# Altium PCB ControlBoard.PcbDoc (part 2 of 3) (continued)
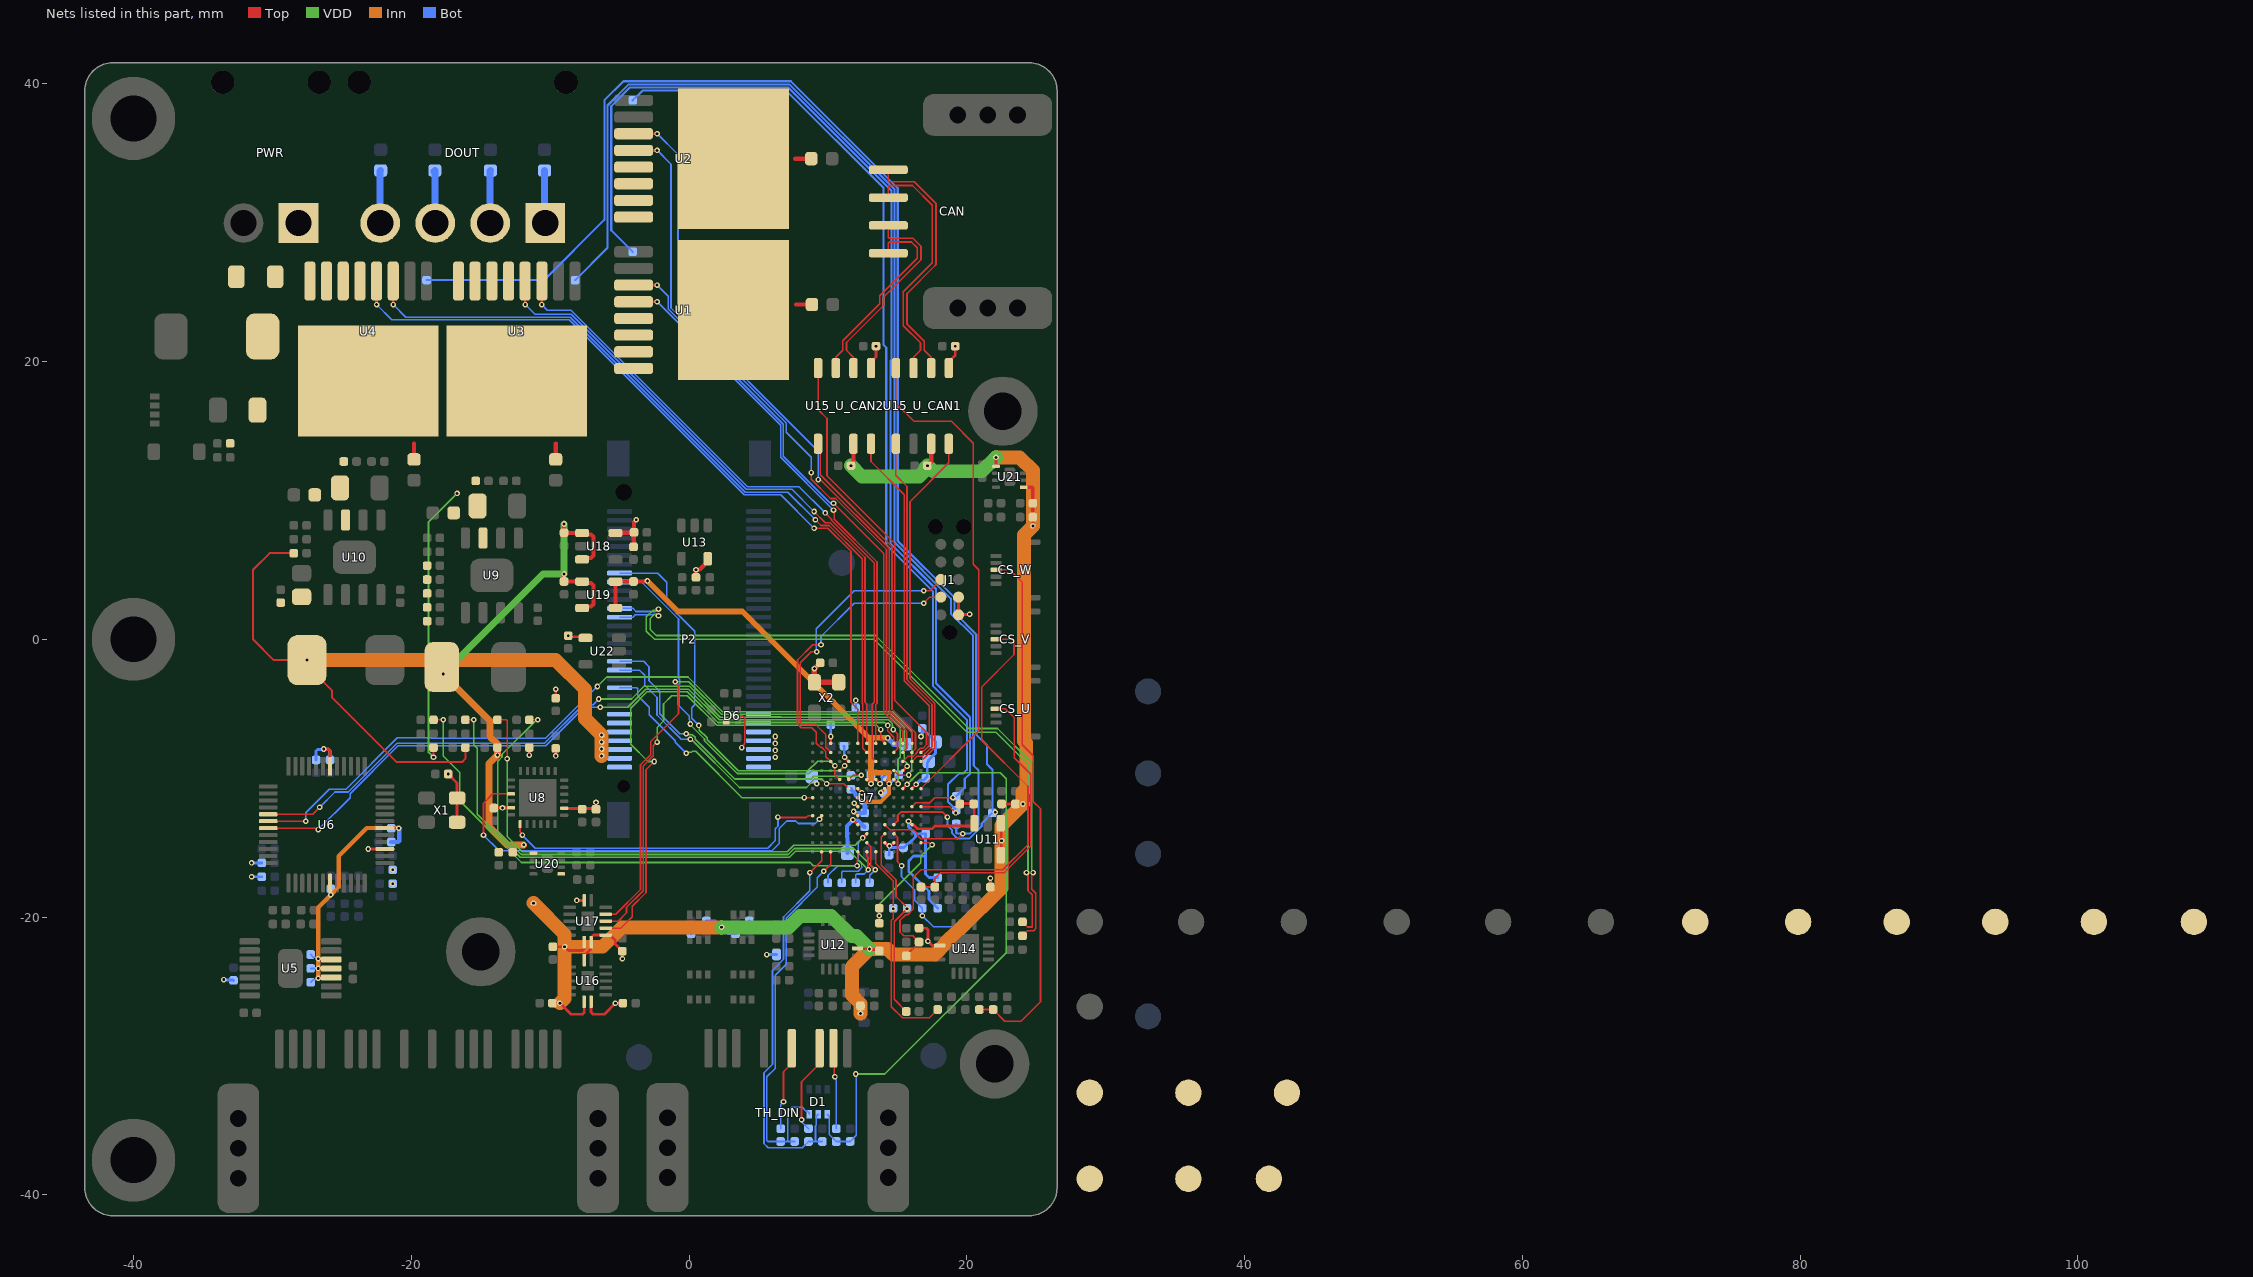
[diagram p6: the nets of this part, all layers, seen from the top]
## Part data (continued)
R106 R107: library part RES0402-300-1%, "Fixed Resistor, Metal Glaze/thick Film, 0.063W, 300ohm, 50V, 1% +/-Tol, 100ppm/Cel, Surface Mount, 0402", Case Code (Metric)=0402, Manufacturer=Vishay, Manufacturer Part Number=CRCW0402300RFKTD, Max Operating Temperature=155°C, Max Power Dissipation=63mW, Min Operating Temperature=-55°C, Supplier Part Number=CRCW0402300RFKTD-ND, Temperature Coefficient=100ppm/°C, Tolerance=1%, Voltage Rating (DC)=50V, Case/Package=0402, Category="Chip SMD Resistors", ComponentLink1Description=https://datasheet.octopart.com:443/CRCW0402300RFKTD-Vishay-datasheet-175863636.pdf?src-supplier=IHS, ComponentLink1URL=https://datasheet.octopart.com:443/CRCW0402300RFKTD-Vishay-datasheet-175863636.pdf?src-supplier=IHS, ComponentLink2Description=https://datasheet.octopart.com:443/CRCW0402300RFKTD-Vishay-datasheet-182027442.pdf?src-supplier=IHS, ComponentLink2URL=https://datasheet.octopart.com:443/CRCW0402300RFKTD-Vishay-datasheet-182027442.pdf?src-supplier=IHS, ComponentLink3Description=https://datasheet.octopart.com:443/CRCW0402300RFKTD-Vishay-datasheet-183883876.pdf?src-supplier=Newark, ComponentLink3URL=https://datasheet.octopart.com:443/CRCW0402300RFKTD-Vishay-datasheet-183883876.pdf?src-supplier=Newark, ComponentLink4Description=https://datasheet.octopart.com/D-CRCW-Lead-%28Pb%29-Bearing-Thick-Film%2C-Rectangular-Chip-Resistors-Vishay-datasheet-family-72.pdf, ComponentLink4URL=https://datasheet.octopart.com/D-CRCW-Lead-%28Pb%29-Bearing-Thick-Film%2C-Rectangular-Chip-Resistors-Vishay-datasheet-family-72.pdf, ComponentLink5Description=https://datasheet.octopart.com/CRCW0402300RFKTD-Vishay-datasheet-13242068.pdf, ComponentLink5URL=https://datasheet.octopart.com/CRCW0402300RFKTD-Vishay-datasheet-13242068.pdf, ComponentLink6Description=https://datasheet.octopart.com/CRCW0402300RFKTD-Vishay-datasheet-13195083.pdf, ComponentLink6URL=https://datasheet.octopart.com/CRCW0402300RFKTD-Vishay-datasheet-13195083.pdf, ComponentLink7Description=https://datasheet.octopart.com/CRCW0402300RFKTD-Vishay-datasheet-13034211.pdf, ComponentLink7URL=https://datasheet.octopart.com/CRCW0402300RFKTD-Vishay-datasheet-13034211.pdf, ComponentLink8Description=https://datasheet.octopart.com/CRCW0402300RFKTD-Vishay-datasheet-12600034.pdf, ComponentLink8URL=https://datasheet.octopart.com/CRCW0402300RFKTD-Vishay-datasheet-12600034.pdf, ComponentLink9Description=https://datasheet.octopart.com/CRCW0402300RFKTD-Vishay-datasheet-12532161.pdf, ComponentLink9URL=https://datasheet.octopart.com/CRCW0402300RFKTD-Vishay-datasheet-12532161.pdf, ComponentLink10Description=https://datasheet.octopart.com/CRCW0402300RFKTD-Vishay-datasheet-12517896.pdf, ComponentLink10URL=https://datasheet.octopart.com/CRCW0402300RFKTD-Vishay-datasheet-12517896.pdf, ComponentLink11Description=https://datasheet.octopart.com/CRCW0402300RFKTD-Vishay-datasheet-12509762.pdf, ComponentLink11URL=https://datasheet.octopart.com/CRCW0402300RFKTD-Vishay-datasheet-12509762.pdf, ComponentLink12Description=https://datasheet.octopart.com/CRCW0402300RFKTD-Vishay-datasheet-10322335.pdf, ComponentLink12URL=https://datasheet.octopart.com/CRCW0402300RFKTD-Vishay-datasheet-10322335.pdf, ComponentLink13Description=https://datasheet.octopart.com/CRCW0402300RFKTD-Vishay-datasheet-8788789.pdf, ComponentLink13URL=https://datasheet.octopart.com/CRCW0402300RFKTD-Vishay-datasheet-8788789.pdf, ComponentLink14Description=https://datasheet.octopart.com/CRCW0402300RFKTD-Vishay-datasheet-8361388.pdf, ComponentLink14URL=https://datasheet.octopart.com/CRCW0402300RFKTD-Vishay-datasheet-8361388.pdf, ComponentLink15Description=https://datasheet.octopart.com/CRCW0402300RFKTD-Vishay-datasheet-5306405.pdf, ComponentLink15URL=https://datasheet.octopart.com/CRCW0402300RFKTD-Vishay-datasheet-5306405.pdf, ComponentLink16Description=https://datasheet.octopart.com/CRCW0402300RFKTD-Vishay-datasheet-546287.pdf, ComponentLink16URL=https://datasheet.octopart.com/CRCW0402300RFKTD-Vishay-datasheet-546287.pdf, ComponentLink17Description=http://sigma.octopart.com:80/rohs_statement/Vishay-company-15.pdf?src-supplier=Compliance+Statements, ComponentLink17URL=http://sigma.octopart.com:80/rohs_statement/Vishay-company-15.pdf?src-supplier=Compliance+Statements, Composition="Thick Film", Contact Plating="Lead, Tin", Depth=500µm, Features="Automotive AEC-Q200", Height=350µm, Lead Free="Contains Lead", Length=990.6µm, Lifecycle Status=Production, Military Standard=Not, Mounting Technology="Surface Mount", Number of Terminals=2, Number of Terminations=2, Packaging="Tape & Reel (TR)", Power Dissipation=63mW, Power Rating=63mW, Pricing="10000=0,0229 (USD)", Radiation Hardening=No, REACH SVHC=No, Resistance=300Ω, RoHS=Non-Compliant, Supplier=DigiKey, Supplier 1=DigiKey, Supplier Part Number 1=CRCW0402300RFKTD-ND, Width=500µm, Working Voltage=50V
R109 R112: library part RES0402-7.5k-1%, "Res Thick Film 0402 7.5K Ohm 1% 1/16W ±100ppm/°C Molded SMD Paper T/R", Case Code (Imperial)=0402, Manufacturer=Vishay, Manufacturer Part Number=CRCW04027K50FKTD, Max Operating Temperature=155°C, Max Power Dissipation=63mW, Min Operating Temperature=-55°C, Supplier Part Number=541-CRCW04027K50FKTDCT-ND, Temperature Coefficient=100ppm/°C, Tolerance=1%, Voltage Rating=50V, Case/Package=0402, Category="Chip SMD Resistors", ComponentLink1Description=https://datasheet.octopart.com:443/CRCW04027K50FKTD-Vishay-datasheet-175863636.pdf?src-supplier=IHS, ComponentLink1URL=https://datasheet.octopart.com:443/CRCW04027K50FKTD-Vishay-datasheet-175863636.pdf?src-supplier=IHS, ComponentLink2Description=https://datasheet.octopart.com:443/CRCW04027K50FKTD-Vishay-datasheet-182027442.pdf?src-supplier=IHS, ComponentLink2URL=https://datasheet.octopart.com:443/CRCW04027K50FKTD-Vishay-datasheet-182027442.pdf?src-supplier=IHS, ComponentLink3Description=https://datasheet.octopart.com:443/CRCW04027K50FKTD-Vishay-datasheet-190005715.pdf?src-supplier=TME, ComponentLink3URL=https://datasheet.octopart.com:443/CRCW04027K50FKTD-Vishay-datasheet-190005715.pdf?src-supplier=TME, ComponentLink4Description=https://datasheet.octopart.com:443/CRCW04027K50FKTD-Vishay-datasheet-78776609.pdf?src-supplier=Newark, ComponentLink4URL=https://datasheet.octopart.com:443/CRCW04027K50FKTD-Vishay-datasheet-78776609.pdf?src-supplier=Newark, ComponentLink5Description=https://datasheet.octopart.com:443/CRCW04027K50FKTD-Vishay-datasheet-159614008.pdf?src-supplier=Newark, ComponentLink5URL=https://datasheet.octopart.com:443/CRCW04027K50FKTD-Vishay-datasheet-159614008.pdf?src-supplier=Newark, ComponentLink6Description=https://datasheet.octopart.com:443/CRCW04027K50FKTD-Vishay-datasheet-41302739.pdf?src-supplier=Newark, ComponentLink6URL=https://datasheet.octopart.com:443/CRCW04027K50FKTD-Vishay-datasheet-41302739.pdf?src-supplier=Newark, ComponentLink7Description=https://datasheet.octopart.com:443/CRCW04027K50FKTD-Vishay-datasheet-62316122.pdf?src-supplier=Future+Electronics, ComponentLink7URL=https://datasheet.octopart.com:443/CRCW04027K50FKTD-Vishay-datasheet-62316122.pdf?src-supplier=Future+Electronics, ComponentLink8Description=https://datasheet.octopart.com:443/CRCW04027K50FKTD-Vishay-datasheet-62316123.pdf?src-supplier=Future+Electronics, ComponentLink8URL=https://datasheet.octopart.com:443/CRCW04027K50FKTD-Vishay-datasheet-62316123.pdf?src-supplier=Future+Electronics, ComponentLink9Description=https://datasheet.octopart.com/D-CRCW-Lead-%28Pb%29-Bearing-Thick-Film%2C-Rectangular-Chip-Resistors-Vishay-datasheet-family-72.pdf, ComponentLink9URL=https://datasheet.octopart.com/D-CRCW-Lead-%28Pb%29-Bearing-Thick-Film%2C-Rectangular-Chip-Resistors-Vishay-datasheet-family-72.pdf, ComponentLink10Description=https://datasheet.octopart.com/CRCW04027K50FKTD-Vishay-datasheet-13242068.pdf, ComponentLink10URL=https://datasheet.octopart.com/CRCW04027K50FKTD-Vishay-datasheet-13242068.pdf, ComponentLink11Description=https://datasheet.octopart.com/CRCW04027K50FKTD-Vishay-datasheet-13195083.pdf, ComponentLink11URL=https://datasheet.octopart.com/CRCW04027K50FKTD-Vishay-datasheet-13195083.pdf, ComponentLink12Description=https://datasheet.octopart.com/CRCW04027K50FKTD-Vishay-datasheet-13034211.pdf, ComponentLink12URL=https://datasheet.octopart.com/CRCW04027K50FKTD-Vishay-datasheet-13034211.pdf, ComponentLink13Description=https://datasheet.octopart.com/CRCW04027K50FKTD-Vishay-datasheet-12600034.pdf, ComponentLink13URL=https://datasheet.octopart.com/CRCW04027K50FKTD-Vishay-datasheet-12600034.pdf, ComponentLink14Description=https://datasheet.octopart.com/CRCW04027K50FKTD-Vishay-datasheet-12532161.pdf, ComponentLink14URL=https://datasheet.octopart.com/CRCW04027K50FKTD-Vishay-datasheet-12532161.pdf, ComponentLink15Description=https://datasheet.octopart.com/CRCW04027K50FKTD-Vishay-datasheet-12517896.pdf, ComponentLink15URL=https://datasheet.octopart.com/CRCW04027K50FKTD-Vishay-datasheet-12517896.pdf, ComponentLink16Description=https://datasheet.octopart.com/CRCW04027K50FKTD-Vishay-datasheet-12509762.pdf, ComponentLink16URL=https://datasheet.octopart.com/CRCW04027K50FKTD-Vishay-datasheet-12509762.pdf, ComponentLink17Description=https://datasheet.octopart.com/CRCW04027K50FKTD-Vishay-datasheet-10322335.pdf, ComponentLink17URL=https://datasheet.octopart.com/CRCW04027K50FKTD-Vishay-datasheet-10322335.pdf, ComponentLink18Description=https://datasheet.octopart.com/CRCW04027K50FKTD-Vishay-datasheet-8788789.pdf, ComponentLink18URL=https://datasheet.octopart.com/CRCW04027K50FKTD-Vishay-datasheet-8788789.pdf, ComponentLink19Description=https://datasheet.octopart.com/CRCW04027K50FKTD-Vishay-datasheet-8361388.pdf, ComponentLink19URL=https://datasheet.octopart.com/CRCW04027K50FKTD-Vishay-datasheet-8361388.pdf, ComponentLink20Description=https://datasheet.octopart.com/CRCW04027K50FKTD-Vishay-datasheet-5306405.pdf, ComponentLink20URL=https://datasheet.octopart.com/CRCW04027K50FKTD-Vishay-datasheet-5306405.pdf, ComponentLink21Description=https://datasheet.octopart.com/CRCW04027K50FKTD-Vishay-datasheet-546287.pdf, ComponentLink21URL=https://datasheet.octopart.com/CRCW04027K50FKTD-Vishay-datasheet-546287.pdf, ComponentLink22Description=http://sigma.octopart.com:80/rohs_statement/Vishay-company-15.pdf?src-supplier=Compliance+Statements, ComponentLink22URL=http://sigma.octopart.com:80/rohs_statement/Vishay-company-15.pdf?src-supplier=Compliance+Statements, Composition="Thick Film", Contact Plating="Lead, Tin", Depth=500µm, Features="Automotive AEC-Q200", Height=350µm, Lead Free="Contains Lead", Length=1mm, Lifecycle Status=Production, Military Standard=Not, Mounting Technology="Surface Mount", Number of Terminals=2, Number of Terminations=2, Pins=2, Power Dissipation=63mW, Power Rating=63mW, Pricing="1=0,17, 10=0,082, 25=0,0648, 50=0,0546, 100=0,0451, 250=0,03808, 500=0,03412, 1000=0,0305, 5000=0,02473 (USD)", REACH SVHC=No, Resistance=7.5kΩ, RoHS=Non-Compliant, Schedule B="8533210045, 8533210045|8533210045|8533210045|8533210045|8533210045", Stock=13697, Supplier=DigiKey, Supplier 1=DigiKey, Supplier Part Number 1=541-CRCW04027K50FKTDCT-ND, Voltage Rating (DC)=50V, Weight=652.039032µg, Width=500µm, Working Voltage=50V
TH_DIN: "Automotive Connectors Right Angle Receptacle, DIP Solder Tabs, 8 Position", Manufacturer="HIROSE ELECTRIC", Max Operating Temperature=125°C, Min Operating Temperature=-40°C, Supplier Part Number=26-ZE05-8DP-2HCT-ND, Category="Card Edge Connectors", ComponentLink1Description=https://datasheet.octopart.com:443/ZE05-8DP-2H-HIROSE-ELECTRIC-datasheet-180012703.pdf?src-supplier=IHS, ComponentLink1URL=https://datasheet.octopart.com:443/ZE05-8DP-2H-HIROSE-ELECTRIC-datasheet-180012703.pdf?src-supplier=IHS, ComponentLink2Description=https://datasheet.octopart.com:443/ZE05-8DP-2H-HIROSE-ELECTRIC-datasheet-189101943.pdf?src-supplier=Master+Electronics, ComponentLink2URL=https://datasheet.octopart.com:443/ZE05-8DP-2H-HIROSE-ELECTRIC-datasheet-189101943.pdf?src-supplier=Master+Electronics, ComponentLink3Description=https://datasheet.octopart.com:443/ZE05-8DP-2H-HIROSE-ELECTRIC-datasheet-188748195.pdf?src-supplier=Master+Electronics, ComponentLink3URL=https://datasheet.octopart.com:443/ZE05-8DP-2H-HIROSE-ELECTRIC-datasheet-188748195.pdf?src-supplier=Master+Electronics, ComponentLink4Description=https://datasheet.octopart.com:443/ZE05-8DP-2H-HIROSE-ELECTRIC-datasheet-181928072.pdf?src-supplier=Electro+Sonic, ComponentLink4URL=https://datasheet.octopart.com:443/ZE05-8DP-2H-HIROSE-ELECTRIC-datasheet-181928072.pdf?src-supplier=Electro+Sonic, ComponentLink5Description=https://datasheet.octopart.com:443/ZE05-8DP-2H-HIROSE-ELECTRIC-datasheet-176457996.pdf?src-supplier=Future+Electronics, ComponentLink5URL=https://datasheet.octopart.com:443/ZE05-8DP-2H-HIROSE-ELECTRIC-datasheet-176457996.pdf?src-supplier=Future+Electronics, ComponentLink6Description=https://datasheet.octopart.com:443/ZE05-8DP-2H-Hirose-datasheet-168215454.pdf?src-supplier=TME, ComponentLink6URL=https://datasheet.octopart.com:443/ZE05-8DP-2H-Hirose-datasheet-168215454.pdf?src-supplier=TME, ComponentLink7Description=https://datasheet.octopart.com:443/ZE05-8DP-2H-Hirose-datasheet-149155786.pdf?src-supplier=Sager+Electronics, ComponentLink7URL=https://datasheet.octopart.com:443/ZE05-8DP-2H-Hirose-datasheet-149155786.pdf?src-supplier=Sager+Electronics, ComponentLink8Description=https://sigma.octopart.com:443/145369997/technical_drawing/Hirose-ZE05-8DP-2H.pdf?src-supplier=Hirose+SCT, ComponentLink8URL=https://sigma.octopart.com:443/145369997/technical_drawing/Hirose-ZE05-8DP-2H.pdf?src-supplier=Hirose+SCT, ComponentLink9Description=https://datasheet.octopart.com:443/ZE05-8DP-2H-Hirose-datasheet-141146741.pdf?src-supplier=Hirose+SCT, ComponentLink9URL=https://datasheet.octopart.com:443/ZE05-8DP-2H-Hirose-datasheet-141146741.pdf?src-supplier=Hirose+SCT, Connector Type=Receptacle, Height=8.84mm, Length=18.52mm, Lifecycle Status=Production, Manufacturer Part Number=ZE05-8DP-2H, Orientation="Right Angle", Pins=8, Pricing="1=1,89, 10=1,609, 25=1,5084, 50=1,4362, 100=1,3676 (USD)", REACH SVHC=Yes, RoHS=Compliant, Stock=76, Supplier=DigiKey, Supplier 1=DigiKey, Supplier Part Number 1=26-ZE05-8DP-2HCT-ND, Width=14.8mm
TP1 TP2 TP3 TP4 TP5 TP6 TP7 TP8 TP9 TP10 TP11 TP12 TP13 TP14 TP15 TP16 TP17 TP18 TP19 TP20 TP21 TP22 TP23 TP24 TP25 TP26: library part TP, "TEST POINT"
U1 U2 U3 U4: library part BTH50060-1LUA, "Power Load Sw, High Side, 150DEGC, HSOF8;", Manufacturer=Infineon, Supplier Part Number=448-BTH500601LUAAUMA1CT-ND, Category="Power Switch ICs - Power Distribution", ComponentLink1Description=http://sigma.octopart.com:80/conflict_mineral_statement/Infineon-company-51.pdf?src-supplier=Compliance+Statements, ComponentLink1URL=http://sigma.octopart.com:80/conflict_mineral_statement/Infineon-company-51.pdf?src-supplier=Compliance+Statements, Manufacturer Part Number=BTH500601LUAAUMA1, Pricing="1=4,49, 10=3,408, 25=3,1372, 100=2,8399, 250=2,69812, 500=2,61266, 1000=2,54235 (USD)", Stock=3526, Supplier=DigiKey, Supplier 1=DigiKey, Supplier Part Number 1=448-BTH500601LUAAUMA1CT-ND
U5: library part ALM2402F-Q1, "Dual operational amplifier with high current output and slew rate 14-HTSSOP -40 to 125", Ambient Temperature Range High=125°C, Input Bias Current=3.5nA, Input Offset Voltage (Vos)=1mV, Manufacturer="Texas Instruments", Manufacturer Lifecycle Status=ACTIVE, Max Supply Voltage=16V, Min Operating Temperature=-40°C, Min Supply Voltage=4.5V, Output Current per Channel=400mA, Supplier Part Number=296-ALM2402FQPWPRQ1CT-ND, Voltage Gain=93dB, Category="Amplifiers - Op Amps, Buffer, Instrumentation", ComponentLink1Description=https://sigma.octopart.com:443/159569814/technical_drawing/Texas-Instruments-ALM2402FQPWPRQ1.pdf?src-supplier=Texas+Instruments, ComponentLink1URL=https://sigma.octopart.com:443/159569814/technical_drawing/Texas-Instruments-ALM2402FQPWPRQ1.pdf?src-supplier=Texas+Instruments, ComponentLink2Description=https://octopart.com:443/opatz8j6/c1?t=ZPJvvuPEpGpES_y9EoHHU01kErOd9eZN7Gx7z2LTZC5bpM9zJnn1LW-JbGqNri5mz2O5lzJ6UhfOc46BO5zOXJrvDKm0VlnxasqbOLQLOgbPoqEdQG3t9SYm2umos89xdDxf0XR27TUST3JNQlDir6P_KbZ1PxZHW9d-RdisXjF-EWsCDIFtIXJ6PS1KiiVKRk2qpXgEQkvnhlyRkUvVqJJgydVmn0OgYlFDpXYimEwaFlUpuIdaDGZmuFo_-uwRGj4YbJSrjYeBWO0Q_-UyrcG1wvn-j-xBbbnvHOa98eOF4czOQdpe2uraEiOfYVpG4pgI5ze8N1Yo4dbsKj3lJ-AfM_D9BxtgFVry6fSkeAtcCVjhbb--6O4yKaCOhRt7Vqt9W7T5dZ7d6Q&src-supplier=Texas+Instruments, ComponentLink2URL=https://octopart.com:443/opatz8j6/c1?t=ZPJvvuPEpGpES_y9EoHHU01kErOd9eZN7Gx7z2LTZC5bpM9zJnn1LW-JbGqNri5mz2O5lzJ6UhfOc46BO5zOXJrvDKm0VlnxasqbOLQLOgbPoqEdQG3t9SYm2umos89xdDxf0XR27TUST3JNQlDir6P_KbZ1PxZHW9d-RdisXjF-EWsCDIFtIXJ6PS1KiiVKRk2qpXgEQkvnhlyRkUvVqJJgydVmn0OgYlFDpXYimEwaFlUpuIdaDGZmuFo_-uwRGj4YbJSrjYeBWO0Q_-UyrcG1wvn-j-xBbbnvHOa98eOF4czOQdpe2uraEiOfYVpG4pgI5ze8N1Yo4dbsKj3lJ-AfM_D9BxtgFVry6fSkeAtcCVjhbb--6O4yKaCOhRt7Vqt9W7T5dZ7d6Q&src-supplier=Texas+Instruments, ComponentLink3Description=https://sigma.octopart.com:443/49250594/technical_drawing/Texas-Instruments-ALM2402FQPWPRQ1.pdf?src-supplier=Texas+Instruments, ComponentLink3URL=https://sigma.octopart.com:443/49250594/technical_drawing/Texas-Instruments-ALM2402FQPWPRQ1.pdf?src-supplier=Texas+Instruments, ComponentLink4Description=https://datasheet.octopart.com:443/ALM2402FQPWPRQ1-Texas-Instruments-datasheet-151121670.pdf?src-supplier=SHENGYU+ELECTRONICS, ComponentLink4URL=https://datasheet.octopart.com:443/ALM2402FQPWPRQ1-Texas-Instruments-datasheet-151121670.pdf?src-supplier=SHENGYU+ELECTRONICS, ComponentLink5Description=http://sigma.octopart.com:80/conflict_mineral_statement/Texas-Instruments-company-63.pdf?src-supplier=Compliance+Statements, ComponentLink5URL=http://sigma.octopart.com:80/conflict_mineral_statement/Texas-Instruments-company-63.pdf?src-supplier=Compliance+Statements, ComponentLink6Description=http://sigma.octopart.com:80/reach_statement/Texas-Instruments-company-64.pdf?src-supplier=Compliance+Statements, ComponentLink6URL=http://sigma.octopart.com:80/reach_statement/Texas-Instruments-company-64.pdf?src-supplier=Compliance+Statements, Height=1.2mm, Length=5mm, Lifecycle Status=Production, Manufacturer Part Number=ALM2402FQPWPRQ1, Max Operating Temperature=125°C, Number of Channels=2, Pins=14, Pricing="1=3,33, 10=2,502, 25=2,2952, 100=2,0672, 250=1,95848, 500=1,89296, 1000=1,83904 (USD)", Response Time=2µs, RoHS=Compliant, Stock=2833, Supplier=DigiKey, Supplier 1=DigiKey, Supplier Part Number 1=296-ALM2402FQPWPRQ1CT-ND, Thickness=1mm, Width=4.4mm
U6: "Variable Resolution, 10-Bit to 16-Bit R/D Converter with Reference Oscillator", Manufacturer="Analog Devices", Manufacturer Lifecycle Status=PRODUCTION, Max Operating Temperature=125°C, Max Supply Voltage=5.25V, Min Operating Temperature=-40°C, Min Supply Voltage=2.3V, Supplier Part Number=505-AD2S1210SSTZ-EPRL7CT-ND, Category="Analog to Digital Converters (ADCs)", ComponentLink1Description=https://octopart.com:443/opatz8j6/c1?t=k6fJq6adrThdFycxtWTAnGFkOg80_DDUf2LogCT04gbzbe5BdBYrLFXnxFNandYyDPTV6rZWvFV2u5dAnLu4JsdXWEnecjpqc8hWMCwqGekMMp6kHhXDZa9P5HJITyOD5-VOaIhH71EaW9V9387lyfDJyPC-cQ1uiwGWwiloigfyQoUQQpcB8iB8RNLaBlcKqWrCL5SUsZXmx1U_xgDZKDZnY-eyE1vsltANIZMxL3YaJqaBAjg57PlAWL_CwrTWUsNp9kqOjzd23eczO6wHPI3Gh1TFdUTDlWJM4gP7Q3B-9ihoeQ81fcS2&src-supplier=Analog+Devices, ComponentLink1URL=https://octopart.com:443/opatz8j6/c1?t=k6fJq6adrThdFycxtWTAnGFkOg80_DDUf2LogCT04gbzbe5BdBYrLFXnxFNandYyDPTV6rZWvFV2u5dAnLu4JsdXWEnecjpqc8hWMCwqGekMMp6kHhXDZa9P5HJITyOD5-VOaIhH71EaW9V9387lyfDJyPC-cQ1uiwGWwiloigfyQoUQQpcB8iB8RNLaBlcKqWrCL5SUsZXmx1U_xgDZKDZnY-eyE1vsltANIZMxL3YaJqaBAjg57PlAWL_CwrTWUsNp9kqOjzd23eczO6wHPI3Gh1TFdUTDlWJM4gP7Q3B-9ihoeQ81fcS2&src-supplier=Analog+Devices, ComponentLink2Description=https://datasheet.octopart.com:443/AD2S1210SSTZ-EPRL7-Analog-Devices-datasheet-155502637.pdf?src-supplier=Upverter, ComponentLink2URL=https://datasheet.octopart.com:443/AD2S1210SSTZ-EPRL7-Analog-Devices-datasheet-155502637.pdf?src-supplier=Upverter, ComponentLink3Description=https://sigma.octopart.com:443/138896181/technical_drawing/Analog-Devices-AD2S1210SSTZ-EPRL7.pdf?src-supplier=Upverter, ComponentLink3URL=https://sigma.octopart.com:443/138896181/technical_drawing/Analog-Devices-AD2S1210SSTZ-EPRL7.pdf?src-supplier=Upverter, ComponentLink4Description=https://datasheet.octopart.com:443/AD2S1210SSTZ-EPRL7-Analog-Devices-datasheet-15541385.pdf?src-supplier=SHENGYU+ELECTRONICS, ComponentLink4URL=https://datasheet.octopart.com:443/AD2S1210SSTZ-EPRL7-Analog-Devices-datasheet-15541385.pdf?src-supplier=SHENGYU+ELECTRONICS, ComponentLink5Description=http://sigma.octopart.com:80/conflict_mineral_statement/Analog-Devices-company-33.pdf?src-supplier=Compliance+Statements, ComponentLink5URL=http://sigma.octopart.com:80/conflict_mineral_statement/Analog-Devices-company-33.pdf?src-supplier=Compliance+Statements, ComponentLink6Description=https://octopart.com:443/opatz8j6/c1?t=bUe-dHj52XTV9pQd6nvf8dvS-SlRDfG4kQbxo-JYlAUIf5xyTYN7Z74yZGolmkEVrRt14p2BUM1wYeKEmZ3p_PjBWAA9WCOR7G2CpJiKyGnar8Vuh7Hn9xVCu4BotM6DQhgv_nRphq5yYxQKxMDDqcZDafTpRiVNhaQkisKsT5PHNe5ktrcX3E6RzgxdIKQpGzV0TbFFt98g9YpT0LzNZjnccmwLyscWakWMjV_IP_gC4saAMPg4JPa585gSA3GixtayfKwqboOU7rvKB-6P3cz7o3LBbqMbDrEzvUjUsAv5-Xk-PQxoKxCz&src-supplier=Compliance+Statements, ComponentLink6URL=https://octopart.com:443/opatz8j6/c1?t=bUe-dHj52XTV9pQd6nvf8dvS-SlRDfG4kQbxo-JYlAUIf5xyTYN7Z74yZGolmkEVrRt14p2BUM1wYeKEmZ3p_PjBWAA9WCOR7G2CpJiKyGnar8Vuh7Hn9xVCu4BotM6DQhgv_nRphq5yYxQKxMDDqcZDafTpRiVNhaQkisKsT5PHNe5ktrcX3E6RzgxdIKQpGzV0TbFFt98g9YpT0LzNZjnccmwLyscWakWMjV_IP_gC4saAMPg4JPa585gSA3GixtayfKwqboOU7rvKB-6P3cz7o3LBbqMbDrEzvUjUsAv5-Xk-PQxoKxCz&src-supplier=Compliance+Statements, Height=1.6mm, Interface=Parallel, Lifecycle Status=Production, Manufacturer Part Number=AD2S1210SSTZ-EPRL7, Number of Channels=2, Number of Converters=1, Pins=48, Pricing="1=36,68, 10=27,104, 25=24,95 (USD)", RoHS=Compliant, Schedule B="8542390000, 8542390000|8542390000|8542390000|8542390000|8542390000|8542390000|8542390000|8542390000|8542390000|8542390000|8542390000|8542390000|8542390000|8542390000|8542390000|8542390000|8542390000|8542390000|8542390000|8542390000|8542390000|8542390000|8542390000|85", Stock=1388, Supplier=DigiKey, Supplier 1=DigiKey, Supplier Part Number 1=505-AD2S1210SSTZ-EPRL7CT-ND
U7: library part F28P650DK6NMRR_1, "C2000™ 32-bit MCU, 2x C28x+CLA CPU, Lock Step, 1.28-MB flash, 16-b ADC, HRPWM, EtherCAT, CAN-FD, AES 169-NFBGA -40 to...", Manufacturer="Texas Instruments", Manufacturer Lifecycle Status=ACTIVE, Supplier Part Number=296-F28P650DK6NMRRTR-ND, Category=Microcontrollers, ComponentLink1Description=https://sigma.octopart.com:443/170336436/technical_drawing/Texas-Instruments-F28P650DK6NMRR.pdf?src-supplier=Texas+Instruments, ComponentLink1URL=https://sigma.octopart.com:443/170336436/technical_drawing/Texas-Instruments-F28P650DK6NMRR.pdf?src-supplier=Texas+Instruments, ComponentLink2Description=https://octopart.com:443/opatz8j6/c1?t=APRw11tpYPVjWCcH60awOXt0cGwImscANGC7li7_cx_Agxm915MhAZTObmDghc9eZOaw_mHD48OCZSRp73lGddKWUBe5fw7JdS3oY6-WaShYciiLLEgoA4x4huAl_qcDmd35tthWJciG_j9G0_KiT0SpOlZap5xOApFweMh2aZbGRedpPOVXVEDON4Icb6hkm9W7qm4-y49tBp6shpQILr3wInC47Ns5REcOk_fqp6GFBCGfdNNlvimY7LhF-z2TQJYRCUXuPMF8jbjKwibXb4IEVHm3troRaaxBm4vGhw5rMNpdyp6Yfknc0rFnvpyRKpgralAt9vXUJ0VNHXN8-zHJova3rwODBasGVAO6XlgY1J4nqzjFJr64ola8gSl7fMvjJfjBTM6KoBMDgg&src-supplier=Texas+Instruments, ComponentLink2URL=https://octopart.com:443/opatz8j6/c1?t=APRw11tpYPVjWCcH60awOXt0cGwImscANGC7li7_cx_Agxm915MhAZTObmDghc9eZOaw_mHD48OCZSRp73lGddKWUBe5fw7JdS3oY6-WaShYciiLLEgoA4x4huAl_qcDmd35tthWJciG_j9G0_KiT0SpOlZap5xOApFweMh2aZbGRedpPOVXVEDON4Icb6hkm9W7qm4-y49tBp6shpQILr3wInC47Ns5REcOk_fqp6GFBCGfdNNlvimY7LhF-z2TQJYRCUXuPMF8jbjKwibXb4IEVHm3troRaaxBm4vGhw5rMNpdyp6Yfknc0rFnvpyRKpgralAt9vXUJ0VNHXN8-zHJova3rwODBasGVAO6XlgY1J4nqzjFJr64ola8gSl7fMvjJfjBTM6KoBMDgg&src-supplier=Texas+Instruments, ComponentLink3Description=http://sigma.octopart.com:80/reach_statement/Texas-Instruments-company-64.pdf?src-supplier=Compliance+Statements, ComponentLink3URL=http://sigma.octopart.com:80/reach_statement/Texas-Instruments-company-64.pdf?src-supplier=Compliance+Statements, ComponentLink4Description=http://sigma.octopart.com:80/conflict_mineral_statement/Texas-Instruments-company-63.pdf?src-supplier=Compliance+Statements, ComponentLink4URL=http://sigma.octopart.com:80/conflict_mineral_statement/Texas-Instruments-company-63.pdf?src-supplier=Compliance+Statements, Height=0m, Length=9mm, Lifecycle Status=Production, Manufacturer Part Number=F28P650DK6NMRR, Number of UART Channels=4, Pins=169, Pricing="1000=11,46098 (USD)", RoHS=Compliant, Supplier=DigiKey, Supplier 1=DigiKey, Supplier Part Number 1=296-F28P650DK6NMRRTR-ND, Thickness=650µm, Width=9mm
U8: "High-performance ultra low-power 3-axis accelerometer", Case/Package=QFN, Manufacturer=STMicroelectronics, Max Operating Temperature=105°C, Max Supply Voltage=3.6V, Min Operating Temperature=-40°C, Min Supply Voltage=2.4V, Nominal Supply Current=450µA, Operating Supply Voltage=3.3V, Supplier Part Number=497-13219-1-ND, Axis="X, Y, Z", Bandwidth=500Hz, Category=Accelerometers, China RoHS=Compliant, ComponentLink1Description=https://datasheet.octopart.com:443/AIS328DQTR-STMicroelectronics-datasheet-12523467.pdf?src-supplier=Newark, ComponentLink1URL=https://datasheet.octopart.com:443/AIS328DQTR-STMicroelectronics-datasheet-12523467.pdf?src-supplier=Newark, ComponentLink2Description=https://datasheet.octopart.com:443/AIS328DQTR-STMicroelectronics-datasheet-10836675.pdf?src-supplier=Factory+Futures, ComponentLink2URL=https://datasheet.octopart.com:443/AIS328DQTR-STMicroelectronics-datasheet-10836675.pdf?src-supplier=Factory+Futures, ComponentLink3Description=https://datasheet.octopart.com:443/AIS328DQTR-STMicroelectronics-datasheet-141402747.pdf?src-supplier=element14+APAC, ComponentLink3URL=https://datasheet.octopart.com:443/AIS328DQTR-STMicroelectronics-datasheet-141402747.pdf?src-supplier=element14+APAC, Contact Plating=Tin, Height - Seated (Max)=1.85mm, Lead Free="Lead Free", Length=4mm, Lifecycle Status=Production, Manufacturer Part Number=AIS328DQTR, Mounting Technology="Surface Mount", Number of Circuits=1, Number of Terminals=24, Output Type=Digital, Packaging="Tape & Reel", Pins=24, Pricing="1=7,44, 5=6,716, 10=6,444, 25=6,1204, 50=5,8992, 100=5,6965, 500=5,508 (USD)", Radiation Hardening=No, REACH SVHC=Yes, RoHS=Compliant, Schedule B="8542390000, 8542390000|8542390000|8542390000|8542390000|8542390000|8542390000|8542390000|8542390000|8542390000|8542390000|8542390000|8542390000|8542390000|8542390000|8542390000|8542390000|8542390000|8542390000|8542390000|8542390000|8542390000|8542390000|8542390000|85", Stock=11747, Supplier=DigiKey, Supplier 1=DigiKey, Supplier Part Number 1=497-13219-1-ND, Terminal Pitch=500µm, Width=4mm
U9 U10: "IC REG BUCK ADJ 2A 8SOPWR \"Buck Switching Regulator IC Positive Adjustable 1V 1 Output 2A 8-PowerSOIC (0.154\"\",...", Manufacturer="Texas Instruments", Manufacturer Lifecycle Status=ACTIVE, Supplier Part Number=296-LMR38020FSQDDARQ1CT-ND, Category="Voltage Regulators - Switching", ComponentLink1Description=https://octopart.com:443/opatz8j6/c1?t=RnKbBTbSmE3mjTD1dR24FxyAAtcUZqnsQtDsP4qaaRt0oyG7bshtEFBu6vLylXR4jlzlLxH3YmIwp75uhgYuaKa02Af3M3pSHYrF9pbP756NU9jKj6MH4kp6OAcZn4a9DC5xocQBQSlq5v0i5uUrz6awLaCEIzrqJ7aaisuqo65Tmwh3Bc2ynv2RGtflBgpihQofJD75ObVTodK6cEfO3189ygn4nEum5c9SOknZE1n8hxj51VceGFLxYMLlZFH9fKHDt994IbBDpdeFcmiK5QiXHxXg6LUBMib5BdLAinlGKrie-8d3XRVJszg1o4oV4UTj0HpNy-pOds8ffi4MwCw7MMBOt025wQ2CGDafjRTVZ1269USdfOZLbA8iskyM_VnTcjia_QULjA&src-supplier=Texas+Instruments, ComponentLink1URL=https://octopart.com:443/opatz8j6/c1?t=RnKbBTbSmE3mjTD1dR24FxyAAtcUZqnsQtDsP4qaaRt0oyG7bshtEFBu6vLylXR4jlzlLxH3YmIwp75uhgYuaKa02Af3M3pSHYrF9pbP756NU9jKj6MH4kp6OAcZn4a9DC5xocQBQSlq5v0i5uUrz6awLaCEIzrqJ7aaisuqo65Tmwh3Bc2ynv2RGtflBgpihQofJD75ObVTodK6cEfO3189ygn4nEum5c9SOknZE1n8hxj51VceGFLxYMLlZFH9fKHDt994IbBDpdeFcmiK5QiXHxXg6LUBMib5BdLAinlGKrie-8d3XRVJszg1o4oV4UTj0HpNy-pOds8ffi4MwCw7MMBOt025wQ2CGDafjRTVZ1269USdfOZLbA8iskyM_VnTcjia_QULjA&src-supplier=Texas+Instruments, ComponentLink2Description=https://datasheet.octopart.com:443/LMR38020FSQDDARQ1-Texas-Instruments-datasheet-184261082.pdf?src-supplier=LCSC, ComponentLink2URL=https://datasheet.octopart.com:443/LMR38020FSQDDARQ1-Texas-Instruments-datasheet-184261082.pdf?src-supplier=LCSC, ComponentLink3Description=http://sigma.octopart.com:80/conflict_mineral_statement/Texas-Instruments-company-63.pdf?src-supplier=Compliance+Statements, ComponentLink3URL=http://sigma.octopart.com:80/conflict_mineral_statement/Texas-Instruments-company-63.pdf?src-supplier=Compliance+Statements, ComponentLink4Description=http://sigma.octopart.com:80/reach_statement/Texas-Instruments-company-64.pdf?src-supplier=Compliance+Statements, ComponentLink4URL=http://sigma.octopart.com:80/reach_statement/Texas-Instruments-company-64.pdf?src-supplier=Compliance+Statements, Height=1.7mm, Length=4.89mm, Lifecycle Status=Production, Manufacturer Part Number=LMR38020FSQDDARQ1, Pins=8, Pricing="1=4,07, 10=3,075, 25=2,8276, 100=2,5554, 250=2,42556, 500=2,34734, 1000=2,28295 (USD)", RoHS=Compliant, Stock=1540, Supplier=DigiKey, Supplier 1=DigiKey, Supplier Part Number 1=296-LMR38020FSQDDARQ1CT-ND, Thickness=1.48mm, Topology=Buck, Width=3.9mm
U11: "IC VREF SERIES SOT23-6", Case/Package=926Case, Manufacturer="Texas Instruments", Max Operating Temperature=125°C, Max Supply Voltage=6V, Min Operating Temperature=-40°C, Min Supply Voltage=3.55V, Nominal Supply Current=650nA, Output Current=10mA, Output Voltage=3.3V, Supplier Part Number=296-REF35330QDBVRCT-ND, Category="Voltage References", Length=2.9mm, Manufacturer Part Number=REF35330QDBVR, Number of Outputs=1NUMBER, Pins=6NUMBER, Pricing="1=1,91, 10=1,407, 25=1,2812, 100=1,1426, 250=1,07652, 500=1,03672, 1000=1,00393 (USD)", RoHS=No, Stock=5957, Supplier=Digikey, Supplier 1=Digikey, Supplier Part Number 1=296-REF35330QDBVRCT-ND, Thickness=1.2mm, Width=1.6mm
U12 U14: "TSZ124 Series 5.5V 400 kHz Rail to Rail SMT Operational Amplifier - TSSOP-14", Case/Package=QFN, Input Bias Current=200pA, Input Offset Voltage (Vos)=8µV, Manufacturer=STMicroelectronics, Max Operating Temperature=125°C, Max Supply Current=40µA, Max Supply Voltage=6V, Min Operating Temperature=-40°C, Min Supply Voltage=1.8V, Nominal Supply Current=31µA, Operating Supply Voltage=3.3V, Output Current=17mA, Output Current per Channel=18mA, Supplier Part Number=497-14337-1-ND, Voltage Gain=135dB, Bandwidth=400kHz, Category="Amplifiers - Op Amps, Buffer, Instrumentation", China RoHS=Compliant, Common Mode Rejection Ratio=115dB, ComponentLink1Description=https://datasheet.octopart.com:443/TSZ124IQ4T-STMicroelectronics-datasheet-62337710.pdf?src-supplier=Future+Electronics, ComponentLink1URL=https://datasheet.octopart.com:443/TSZ124IQ4T-STMicroelectronics-datasheet-62337710.pdf?src-supplier=Future+Electronics, ComponentLink2Description=https://datasheet.octopart.com:443/TSZ124IQ4T-STMicroelectronics-datasheet-16350222.pdf?src-supplier=STMicroelectronics, ComponentLink2URL=https://datasheet.octopart.com:443/TSZ124IQ4T-STMicroelectronics-datasheet-16350222.pdf?src-supplier=STMicroelectronics, ComponentLink3Description=https://datasheet.octopart.com:443/TSZ124IQ4T-STMicroelectronics-datasheet-140259870.pdf?src-supplier=Farnell, ComponentLink3URL=https://datasheet.octopart.com:443/TSZ124IQ4T-STMicroelectronics-datasheet-140259870.pdf?src-supplier=Farnell, ComponentLink4Description=https://datasheet.octopart.com:443/TSZ124IQ4T-STMicroelectronics-datasheet-159009515.pdf?src-supplier=SHENGYU+ELECTRONICS, ComponentLink4URL=https://datasheet.octopart.com:443/TSZ124IQ4T-STMicroelectronics-datasheet-159009515.pdf?src-supplier=SHENGYU+ELECTRONICS, ComponentLink5Description=https://datasheet.octopart.com:443/TSZ124IQ4T-STMicroelectronics-datasheet-165583692.pdf?src-supplier=TME, ComponentLink5URL=https://datasheet.octopart.com:443/TSZ124IQ4T-STMicroelectronics-datasheet-165583692.pdf?src-supplier=TME, Gain Bandwidth Product=400kHz, Height - Seated (Max)=1mm, Length=3mm, Lifecycle Status=Production, Manufacturer Part Number=TSZ124IQ4T, Mounting Technology="Surface Mount", Number of Channels=4, Number of Circuits=4, Number of Terminals=4, Operating Supply Current=31µA, Packaging="Tape and Reel", Pins=16, Pricing="1=1,86, 10=1,367, 25=1,2444, 100=1,1092, 250=1,0448, 500=1,00596, 1000=0,97398 (USD)", REACH SVHC=Yes, RoHS=Compliant, Schedule B="8542330000, 8542330000|8542330000|8542330000|8542330000|8542330000", Slew Rate=0.19V/µs, Stock=10565, Supplier=DigiKey, Supplier 1=DigiKey, Supplier Part Number 1=497-14337-1-ND, Terminal Pitch=500µm, Unity Gain Bandwidth Product=400kHz, Width=3mm
U13: "Processor Supervisor 1 Open Drain/Push-Pull Automotive AEC-Q100 5-Pin SOT-23 T/R", Ambient Temperature Range High=125°C, Case/Package=SOT-23-5, Manufacturer=STMicroelectronics, Max Power Dissipation=320mW, Max Supply Current=26µA, Max Supply Voltage=5.5V, Min Operating Temperature=-40°C, Min Supply Voltage=2.7V, Nominal Supply Current=13µA, Number of Voltages Monitored=1, Operating Supply Voltage=5V, Supplier Part Number=497-14411-1-ND, Category="Voltage Supervisors", China RoHS=Compliant, ComponentLink1Description=https://datasheet.octopart.com:443/STWD100YNYWY3F-STMicroelectronics-datasheet-62069531.pdf?src-supplier=STMicroelectronics, ComponentLink1URL=https://datasheet.octopart.com:443/STWD100YNYWY3F-STMicroelectronics-datasheet-62069531.pdf?src-supplier=STMicroelectronics, ComponentLink2Description=https://datasheet.octopart.com:443/STWD100YNYWY3F-STMicroelectronics-datasheet-11766130.pdf?src-supplier=Future+Electronics, ComponentLink2URL=https://datasheet.octopart.com:443/STWD100YNYWY3F-STMicroelectronics-datasheet-11766130.pdf?src-supplier=Future+Electronics, ComponentLink3Description=https://datasheet.octopart.com:443/STWD100YNYWY3F-STMicroelectronics-datasheet-77992484.pdf?src-supplier=element14+APAC, ComponentLink3URL=https://datasheet.octopart.com:443/STWD100YNYWY3F-STMicroelectronics-datasheet-77992484.pdf?src-supplier=element14+APAC, ComponentLink4Description=https://datasheet.octopart.com:443/STWD100YNYWY3F-STMicroelectronics-datasheet-159009383.pdf?src-supplier=SHENGYU+ELECTRONICS, ComponentLink4URL=https://datasheet.octopart.com:443/STWD100YNYWY3F-STMicroelectronics-datasheet-159009383.pdf?src-supplier=SHENGYU+ELECTRONICS, Contact Plating=Gold, Height=1.45mm, Height - Seated (Max)=1.45mm, Lead Free="Lead Free", Length=2.9mm, Lifecycle Status=Production, Manufacturer Part Number=STWD100YNYWY3F, Max Operating Temperature=125°C, Mounting Technology="Surface Mount", Number of Channels=1, Number of Circuits=1, Number of Monitored Inputs=1, Number of Outputs=1, Number of Terminals=5, Operating Supply Current=13µA, Pins=5, Pricing="1=1,09, 10=0,785, 25=0,7096, 100=0,6263, 250=0,58648, 500=0,56252, 1000=0,54278 (USD)", Radiation Hardening=No, REACH SVHC=Yes, Reset="Active Low", Reset Timeout=1.6s, RoHS=Compliant, Schedule B="8542390000, 8542390000|8542390000|8542390000|8542390000|8542390000", Stock=2415, Supplier=DigiKey, Supplier 1=DigiKey, Supplier Part Number 1=497-14411-1-ND, Terminal Pitch=950µm, Type="Watchdog Circuit", Width=1.6mm
U15_U_CAN1 U15_U_CAN2: "IC TRANSCEIVER HALF 1/1 8SOIC", Case/Package=SOIC, Manufacturer="ON Semiconductor", Max Operating Temperature=125°C, Max Supply Voltage=5.5V, Min Operating Temperature=-40°C, Min Supply Voltage=4.5V, Package Quantity=3000, Supplier Part Number 1=NCV7342D13R2GOSCT-ND, Category="Interface ICs", ComponentLink1Description=http://www.farnell.com/datasheets/2160795.pdf?src-supplier=Farnell, ComponentLink1URL=http://www.farnell.com/datasheets/2160795.pdf?src-supplier=Farnell, ComponentLink2Description=http://www.mouser.com/ds/2/308/NCV7342-D-269211.pdf?src-supplier=Mouser, ComponentLink2URL=http://www.mouser.com/ds/2/308/NCV7342-D-269211.pdf?src-supplier=Mouser, ComponentLink3Description=http://www.onsemi.com/pub/Collateral/NCV7342-D.PDF?src-supplier=Digi-Key, ComponentLink3URL=http://www.onsemi.com/pub/Collateral/NCV7342-D.PDF?src-supplier=Digi-Key, ComponentLink4Description=http://www.onsemi.com/pub_link/Collateral/NCV7342-D.PDF?src-supplier=Avnet, ComponentLink4URL=http://www.onsemi.com/pub_link/Collateral/NCV7342-D.PDF?src-supplier=Avnet, ComponentLink5Description=http://www.farnell.com/datasheets/2160795.pdf?src-supplier=Newark, ComponentLink5URL=http://www.farnell.com/datasheets/2160795.pdf?src-supplier=Newark, ComponentLink6Description=http://www.farnell.com/datasheets/2160795.pdf?src-supplier=Element14, ComponentLink6URL=http://www.farnell.com/datasheets/2160795.pdf?src-supplier=Element14, Data Rate=1Mbps, Lead Free="Lead Free", Manufacturer Part Number=NCV7342D13R2G, Mount="Surface Mount", Number of Pins=8, Number of Transceivers=1, Packaging="Tape and Reel", Pricing 1="1=0.95000, 10=0.85000, 25=0.80680, 100=0.66290, 250=0.61968, 500=0.54760, 1000=0.47582 (USD)", RoHS=Yes, RoHS Compliant=Yes, Supplier 1=Digi-Key
U16 U17: library part NXB0104BQ-Q100, "1.65V~5.5V 1 2 1.2V~3.6V 100Mbps DHVQFN-14-EP(2.5x3) Translators / Level Shifters ROHS", Manufacturer=Nexperia, Manufacturer Lifecycle Status="RELEASED FOR SUPPLY", Supplier Part Number=1727-NXB0104BQ-Q100XCT-ND, Category="Voltage Level Shifters", ComponentLink1Description=https://datasheet.octopart.com:443/NXB0104BQ-Q100X-Nexperia-datasheet-137152397.pdf?src-supplier=Future+Electronics, ComponentLink1URL=https://datasheet.octopart.com:443/NXB0104BQ-Q100X-Nexperia-datasheet-137152397.pdf?src-supplier=Future+Electronics, Lifecycle Status=Production, Manufacturer Part Number=NXB0104BQ-Q100X, Pricing="1=0,73, 10=0,517, 25=0,4648, 100=0,4068, 250=0,3792, 500=0,36258, 1000=0,35771 (USD)", RoHS=Compliant, Stock=3106, Supplier=DigiKey, Supplier 1=DigiKey, Supplier Part Number 1=1727-NXB0104BQ-Q100XCT-ND